# KiCad board TERES_PCB1-A64-MAIN_Rev.B.kicad_pcb (continued)
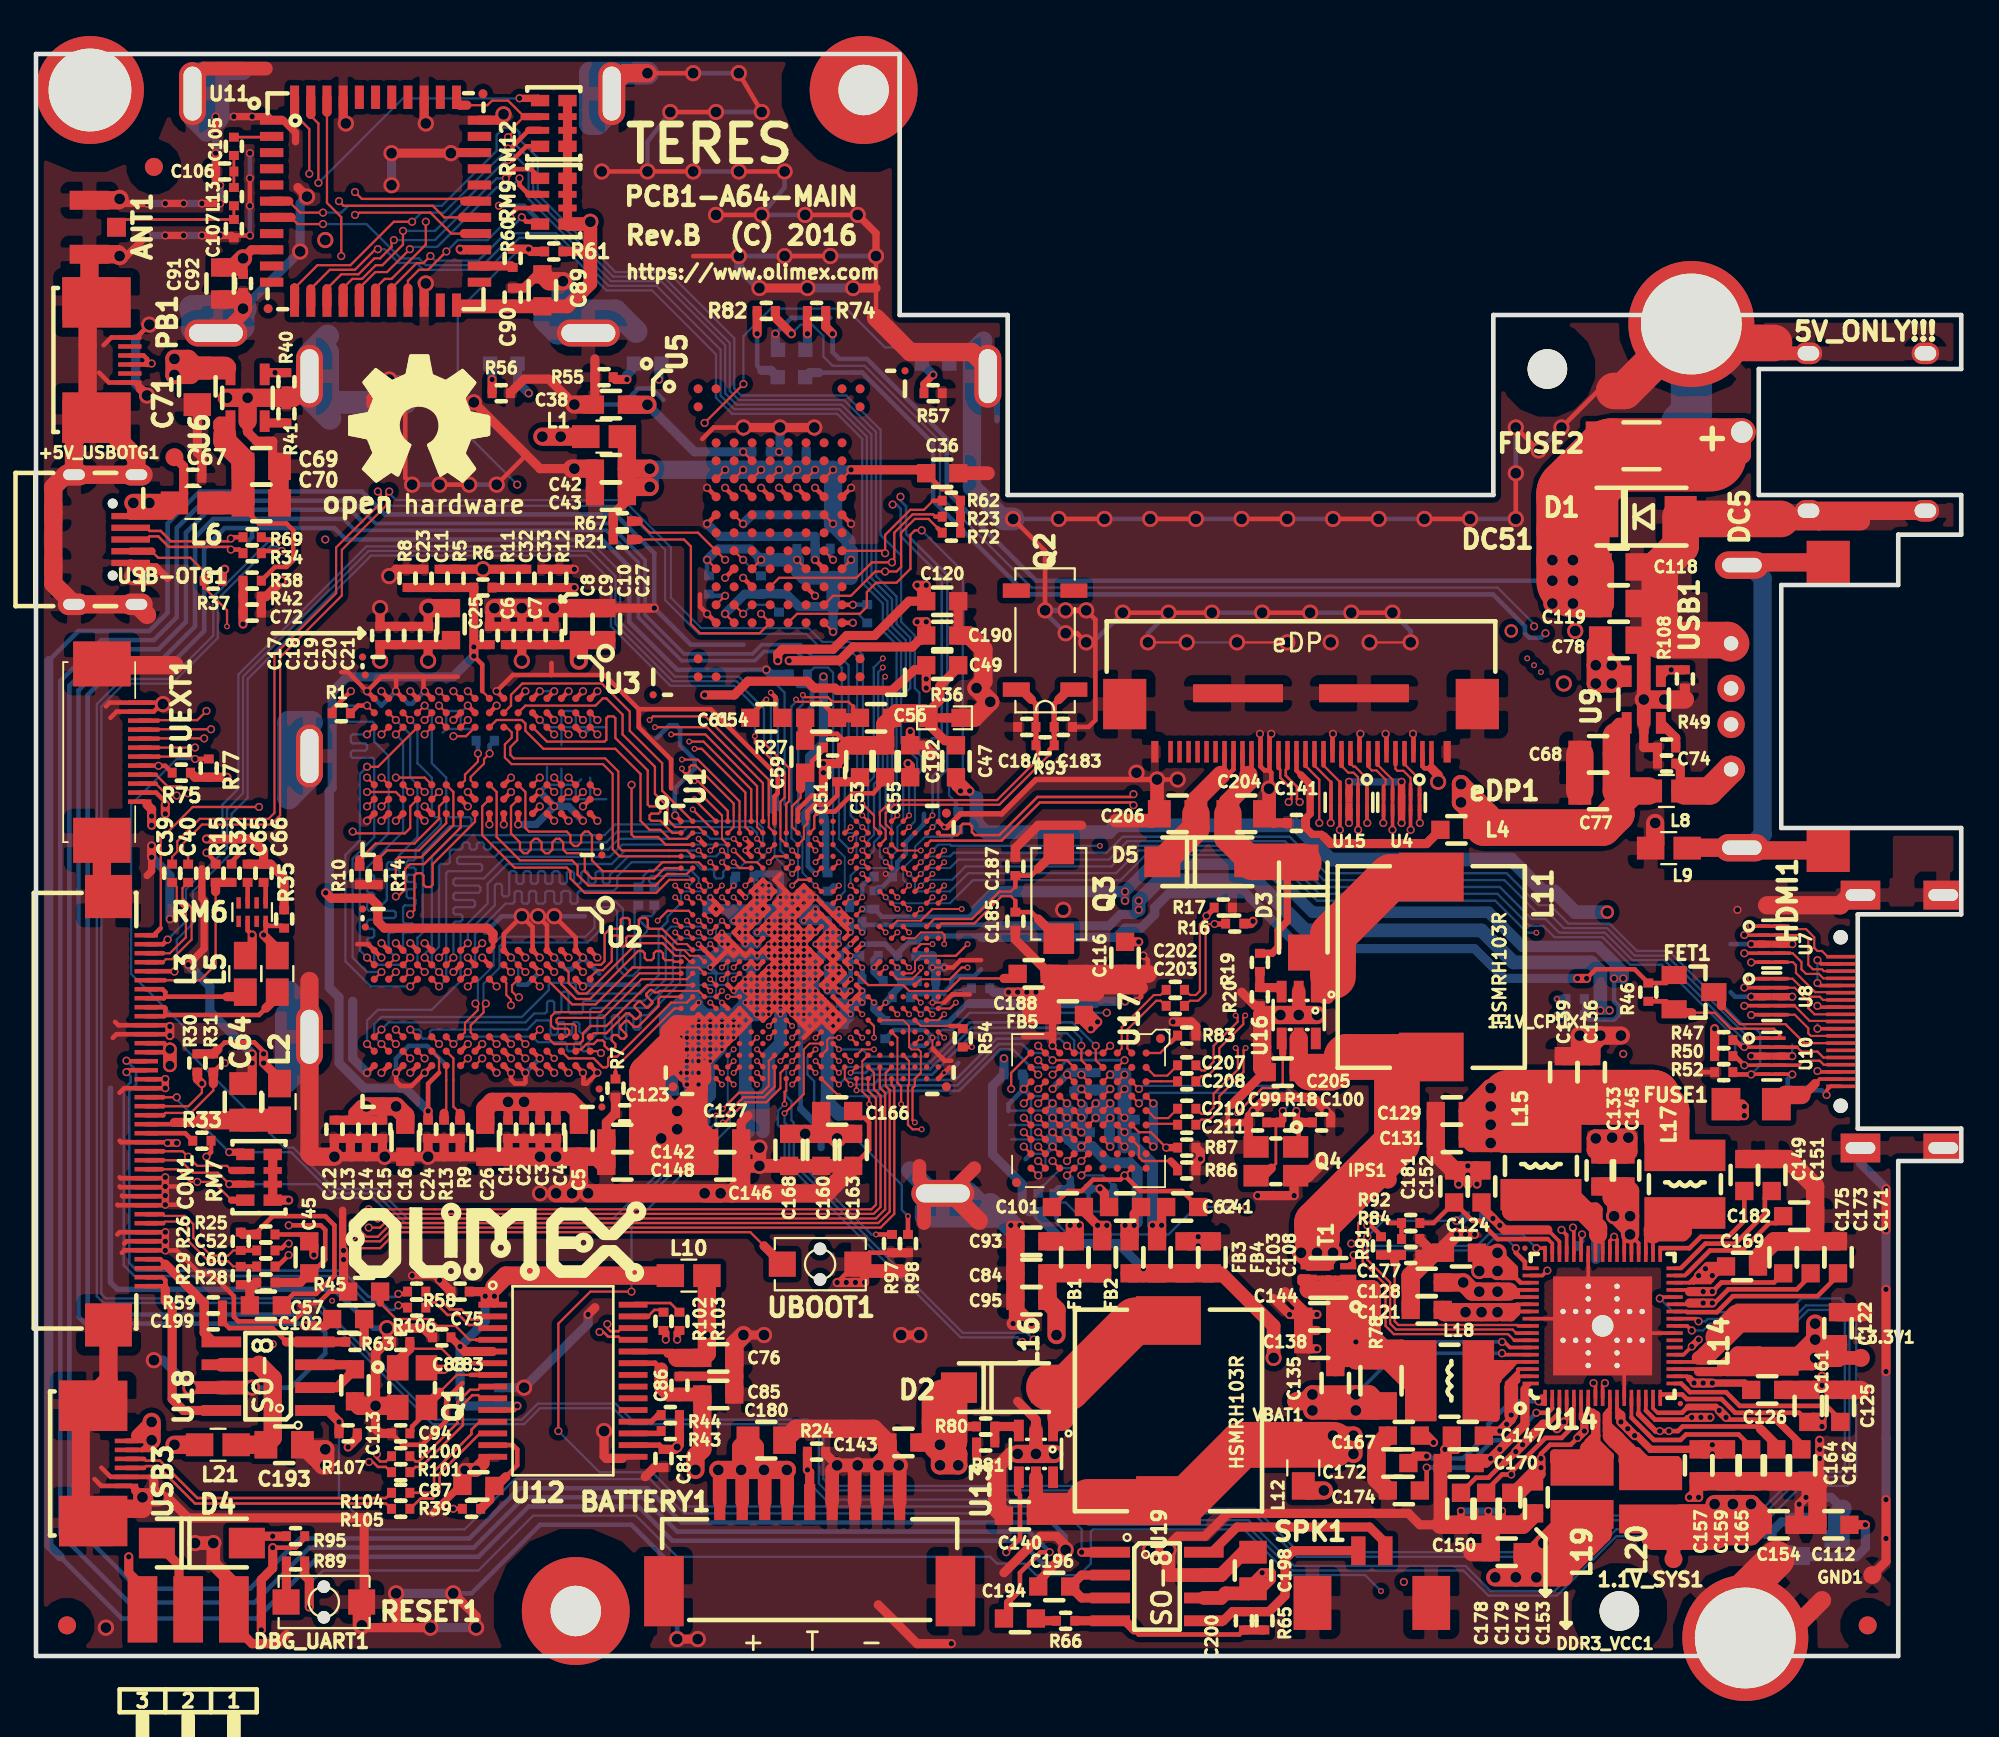
[diagram p0: board, top side]
## Routing (per net, layer and track width the routed paths; a pad name or vN(x,y) marks a point on that pad's centre or on a via; arc(x,y) is an arc through that point) (continued)
  In4.Cu w0.127: 60.1,33.5 61.58,33.5 62.9,32.18 62.62,31.9 61.7,31.9 ; 60.1,33.5 55.3,33.5 ; 60.1,33.5 60.1,28.7 ; 60.1,28.7 61.7,28.7 61.7,29.5 ; 60.1,28.7 59.3,28.7 ; 53.2,29.5 53.2,28.7 55.3,28.7 ; 53.2,29.5 53.2,30.3 ; 53.2,29.5 61.7,29.5 ; 61.7,29.5 61.7,30.3 ; 53.2,30.3 53.2,31.1 ; 53.2,30.3 61.7,30.3 ; 53.2,31.1 53.2,31.9 ; 53.2,31.1 60.9,31.1 ; 61.7,30.3 61.7,31.1 ; 61.7,31.9 61.7,32.7 53.2,32.7 ; 61.7,31.9 61.7,31.1 ; 61.7,31.9 60.9,31.9 ; 53.2,31.9 53.2,32.7 ; 53.2,31.9 60.9,31.9 ; 61.7,31.1 60.9,31.1 ; 53.2,32.7 53.2,33.4 53.6,33.8 54.3,33.8 54.6,33.5 55.3,33.5 ; 55.3,28.7 56.1,28.7 ; 55.3,28.7 55.3,33.5 ; 56.1,28.7 56.9,28.7 ; 56.1,28.7 56.1,34.5 ; 56.9,28.7 57.7,28.7 ; 56.9,28.7 56.9,34.5 ; 57.7,28.7 58.5,28.7 ; 57.7,28.7 57.7,34.5 ; 58.5,28.7 59.3,28.7 ; 58.5,28.7 58.5,34.2 ; 59.3,28.7 59.3,34.3 ; 60.9,31.9 60.9,31.1
  In4.Cu w0.254: 47.32,35 47.55,35.23 50.75,35.23 52.91,37.39 57.1,37.39 57.99,38.28 73.35,38.28 75.9,35.74 83.26,35.74 85.55,33.45 v2(88.21,33.45)
  In4.Cu w0.406: v4(44.62,36.95) 44.95,36.95 v4(44.62,36.95) ; v4(44.62,36.95) v4(45.28,36.95)
  In4.Cu w0.508: 62.94,32.18 62.9,32.18 72.85,32.18
  In4.Cu w0.711: 43.97,35 v4(43.97,36.95) v4(43.97,40.2) 43.97,40.85 ; 43.97,35 42.68,35 42.68,30.78 ; 43.97,35 43.97,30.78 ; 43.97,35 44.62,35 ; 43.97,40.85 44.62,40.85 v4(44.62,40.2) v4(44.62,36.95) 44.62,35 ; 43.97,40.85 44.3,40.85 ; 43.97,40.85 43.97,47.02 ; 43.97,40.85 v4(42.68,40.85) 42.68,47.02 ; 44.62,35 44.62,35.33 44.62,35 ; 44.62,35 47.32,35 47.22,35
  In4.Cu w0.762: 44.3,40.85 43.97,40.85
  In4.Cu w1.016: 95.58,9.58 94.43,9.58 v1(93.29,8.44) v1(94.31,8.44) 94.31,8.44 v1(95.32,8.44)
  In4.Cu w3.048: 72.85,32.18 74.5,33.83 82.12,33.83 84.28,31.67 84.28,27.86 85.55,26.59 90.37,26.59 95.07,21.89 95.07,16.31 97.23,14.15 97.23,11.23 95.58,9.58
  Bottom w0.254: v4(43.97,39.55) v4(44.62,39.55) v4(44.62,40.2) v4(43.97,40.2) ; 43.97,40.85 v4(43.32,41.5)
  Bottom w0.406: v4(44.62,38.25) v4(43.97,38.25) 44.01,38.22 C158.2 44.01,36.98 v4(43.97,36.95) v4(44.62,36.95) v4(45.28,36.95) ; v4(43.97,39.55) v4(43.97,40.2) ; v4(43.97,39.55) v4(43.32,39.55) ; v4(43.97,39.55) 44.3,39.55 44.3,40.2 43.97,40.52
  Bottom w0.508: 43.32,40.85 43.32,41.17 ; 43.32,40.85 v4(42.68,40.85) 42.68,41.32 ; 43.32,40.85 43.97,40.85 v4(43.97,40.2) ; 43.32,41.17 v4(43.32,41.5) C155.2 ; 43.32,41.17 43.18,41.32 42.68,41.32 ; 42.68,41.32 C155.2 ; 42.68,41.32 C155.2
1.2V_HSIC: length 207.6
  Top w0.127: U1.K16 v4(45.93,40.2)
  Top w0.203: U14.3 84.67,13.53
  Top w0.254: 83.9,12.88 84.02,12.88 84.67,13.53 ; 81.61,10.72 81.53,10.72 80.72,9.91 80.04,9.91 C178.2 ; EUEXT1.2 6.67,47.97 7.19,47.45 v2(7.19,47.3)
  Top w0.406: v2(82.25,11.35) 81.61,10.72
  Top w0.508: 83.9,12.88 83.77,12.88 v2(82.63,11.73) v2(82.25,11.35) ; v2(7.19,46.79) v2(7.19,47.3)
  In2.Cu w0.508: 7.19,47.04 v2(7.19,46.79) ; 7.19,47.04 v2(7.19,47.3) ; 7.19,47.04 7.44,47.04
  In2.Cu w0.762: 7.44,47.04 10.49,47.04 12.27,48.82 12.27,59.49 13.28,60.5 14.17,60.5 15.19,61.52 15.19,62.28 16.84,63.93 16.84,76.63 16.08,77.39 v1(16.08,78.66)
  In3.Cu w0.508: 83.26,11.86 83.26,11.61 83.51,11.86 83.01,11.35 v2(82.25,11.35) v2(82.63,11.73) 82.75,11.86 83.13,11.86
  In3.Cu w0.762: v2(86.94,35.86) v2(87.45,35.86) 88.34,35.86 89.23,34.98 ; v1(16.08,78.66) 16.71,78.66 16.97,78.92 19,78.92 21.41,81.33 32.97,81.33 39.32,74.98 44.91,74.98 52.78,67.11 52.78,62.41 53.67,61.52 53.67,58.73 59.89,52.5 59.89,46.41 61.29,45.01 v2(61.29,41.96) v2(61.29,41.45)
  In3.Cu w1.016: 83.13,11.86 84.02,11.86 84.66,11.23 86.31,11.23 87.2,12.12 87.2,13.45 87.89,14.15 89.48,14.15 91.13,15.8 91.13,18.59 91.52,18.97 91.52,28.12 89.23,30.4 89.23,34.98
  Bottom w0.254: C197.1 46.09,40.62 52.85,40.62 52.91,40.56
  Bottom w0.406: v4(45.93,40.2) 45.93,40.78 C197.1
  Bottom w0.508: 52.91,40.56 59.64,40.56 60.27,41.2 61.04,41.2 v2(61.29,41.45) ; v2(87.45,35.86) v2(86.94,35.86) 86.94,36.12
  Bottom w0.762: v2(61.29,41.45) v2(61.29,41.96) 62.43,43.1 67.77,43.1 70.56,40.31 80.34,40.31 82.12,38.53 86.44,38.53 86.94,38.02 86.94,36.12
3.0V_RTC: length 105.8
  Top w0.107: U1.H16 v4(45.93,42.15)
  Top w0.203: 84.15,23.55 84.67,23.03 U14.49
  Top w0.254: 84.15,23.55 84.02,23.67 ; C152.1 80.34,25.32
  Top w0.508: 84.02,23.67 81.61,23.67 v2(81.36,23.93) v2(80.97,24.31) 80.34,24.94 C152.1 ; 45.41,56.06 48.71,56.06 49.09,56.44 49.22,56.44 49.48,56.69 v2(49.48,57.45) v2(48.97,57.45) ; 45.41,56.06 45.44,56.06 ; 45.41,56.06 44.65,55.3 v2(41.86,55.3)
  In2.Cu w0.508: v2(48.97,57.45) v2(49.48,57.45) 52.78,60.76 78.18,60.76 v3(81.99,56.95)
  In3.Cu w0.254: v2(41.86,55.3) 41.86,54.03 41.73,53.9 41.73,52.88 43.76,50.85 44.27,50.85 44.78,50.34 44.78,49.7 46.8,47.68 46.8,43.02 v4(45.93,42.15)
  In3.Cu w0.508: v3(81.99,56.95) 81.99,53.39 84.4,50.98 84.4,40.31 83.26,39.17 83.26,33.83 82.25,32.82 82.25,27.86 81.1,26.72 81.1,24.44 v2(80.97,24.31) v2(81.36,23.93)
  Bottom w0.254: v4(45.93,42.15) 45.93,42.8 46.43,43.3 C189.2
  Bottom w0.508: v2(80.97,24.31) 80.85,24.44 R85.2
+1.5V: length 598
  Top w0.127: v2(31.4,33.5) 31.3,33.6 U2.A8 ; v2(30.4,52) U3.B2
  Top w0.203: v2(86.56,15.16) 86.67,15.06 U14.8
  Top w0.254: v2(28.8,32.4) U2.D9 ; v2(28.8,38) U2.D2 ; v2(19.2,32.4) U2.R9 ; v2(19.2,39.6) U2.R1 ; v2(28.8,46.4) U3.D9 ; U1.N8 v4(40.07,38.25) U1.N7 v4(39.43,38.25) ; U1.L7 v4(39.43,39.55) U1.L6 ; U1.L7 v4(40.07,39.55) U1.L8 ; U1.L7 v4(39.43,40.2) ; v4(39.43,40.85) U1.K7 ; v4(39.43,40.85) 39.1,41.17 ; v4(39.43,40.85) U1.K6 ; v4(39.43,40.85) 39.75,41.17 ; U1.K7 v4(39.43,40.2) ; U1.K7 v4(40.07,40.85) ; v2(20.8,53.6) U3.N1 ; v2(17.5,53.6) 16.46,52.56 R1.2 ; U1.L6 38.78,40.2 U1.K6 ; U1.L6 v4(39.43,40.2) ; 39.1,41.17 39.43,41.5 ; 39.1,41.17 v4(38.78,40.85) U1.K6 ; 39.75,41.17 v4(40.07,40.85) ; 39.75,41.17 40.07,41.5 ; 39.75,41.17 39.43,41.5 ; v4(40.07,40.85) U1.J8 ; 40.07,41.5 40.4,41.83 ; 40.07,41.5 39.75,41.83 ; 40.07,41.5 U1.J8 ; 40.07,42.8 40.4,43.12 v4(40.72,42.8) ; 40.07,42.8 U1.G7 v4(40.07,42.15) ; 40.07,42.8 U1.G8 ; 40.4,41.83 40.72,41.5 U1.J8 ; 40.4,41.83 v4(40.72,42.15) ; 40.4,41.83 v4(40.07,42.15) ; 39.75,41.83 39.43,41.5 ; 39.75,41.83 v4(40.07,42.15) ; U3.H2 v2(25.6,52.8) ; v4(39.43,40.2) U1.K6 ; v4(40.72,42.8) U1.G9 v4(40.72,42.15) ; v4(40.72,42.8) U1.G8 ; U1.G8 v4(40.07,42.15) ; U1.G8 v4(40.72,42.15) ; U2.K2 v2(23.2,38) ; U2.A1 v2(31.2,38.8) ; U2.F1 v2(27.2,38.8) ; U3.K2 v2(23.2,52) ; U3.R1 v2(19.2,53.6) ; U2.N1 v2(20.8,39.6) ; U2.G7 v2(26.4,34) ; U2.C1 v2(29.6,38.8) ; U3.A1 v2(31.2,53.6) ; U2.H2 v2(24.8,38.8) ; U3.R9 v2(19.2,46.4) ; U3.C9 v2(29.6,46.4) ; U3.F1 v2(27.2,53.6) ; U3.G7 v2(26.4,48.8) ; U3.D2 v2(28.8,52) ; U2.C9 v2(29.6,32.4) ; U2.N9 v2(20.8,32.4) ; U2.B2 v2(30.4,38) ; U3.E9 v2(28,47.2) ; U2.K8 v2(24,34) ; U3.C1 v2(29.6,53.6) ; U3.N9 v2(21.6,46.4) ; U2.H9 v2(25.6,32.4) ; U3.A8 v2(30.4,47.2) ; U3.H9 v2(25.2,46.2) ; U2.E9 v2(28,32.4) ; U3.K8 v2(24,47.2)
  Top w0.508: v1(27.13,30.78) C2.1 ; 17.73,30.15 17.73,29.77 17.73,29.9 C13.1 ; C13.1 C12.1 ; C13.1 C14.1 ; v1(27,55.3) C7.1 ; C7.1 C8.1 C9.1 29.92,56.19 C10.1 ; C7.1 C6.1 ; C21.1 22.81,56.19 C20.1 ; v1(21.79,55.3) C20.1 ; C20.1 C19.1 C18.1 C17.1 v1(19.13,55.3) ; 83.77,4.88 84.4,4.88 DDR3_VCC1.1 ; C1.1 v1(26.24,30.78) ; 19.25,30.53 C15.1 C14.1 ; 28.02,30.78 C3.1 ; 28.91,30.78 C4.1 ; C14.1 v1(18.36,30.53) ; C11.1 R5.2 v1(24.84,60.38) R11.2 C32.2
  Top w0.762: 17.73,30.15 18.11,30.53 v1(18.36,30.53) ; 86.69,7.04 87.07,7.04 ; 86.69,7.04 85.1,5.45 85.1,4.81 ; 86.69,7.04 85.93,7.04
  Top w1.016: v1(83.77,6.27) 85.36,7.87 L19.2 85.93,7.04 85.1,6.21 ; v1(83.77,6.27) 83.26,5.77 ; v1(83.77,6.27) 83.77,4.75 v1(83.39,4.37) ; v1(82.25,4.37) v1(83.39,4.37) ; v1(82.25,4.37) v1(81.1,4.37) ; v1(82.25,4.37) 82.63,4.75 C150.2 83.26,5.77 ; v1(83.39,4.37) 84.66,4.37 85.1,4.81 ; v1(83.39,4.37) 83.39,4.88 ; 83.26,5.77 83.39,5.64 83.39,4.88 ; 85.1,6.21 83.77,4.88 83.39,4.88 ; 85.1,6.21 85.1,4.81 ; 85.1,4.81 87.07,6.78 87.07,7.04 ; C5.1 30.18,30.28 29.67,30.78 v1(27.13,30.78) v1(26.24,30.78) 25.35,30.78 24.97,30.4 C26.1 ; v1(30.18,55.3) C10.1 C27.1 ; C16.1 20.52,30.02 v1(20.02,30.53) v1(18.36,30.53)
  In3.Cu w0.254: v2(86.56,15.16) 86.56,14.28 85.8,13.51 84.66,13.51 84.02,12.88 82.75,12.88 81.86,11.99 80.97,11.99 76.4,7.42 76.4,4.5 v2(76.02,4.11)
  In4.Cu w0.107: 37.8,37.27 36.82,37.27 36.82,37.92 39.1,37.92 v4(39.43,38.25) ; 37.8,37.27 38.45,37.27 38.45,38.9 ; 37.8,37.27 37.8,43.45 ; 38.45,38.9 38.45,38.58 38.45,38.9 ; 36.5,39.88 U1.L6 v4(39.43,39.55) ; 35.2,40.52 38.45,40.52 v4(38.78,40.85) ; 34.88,42.48 U1.G7 v4(40.07,42.15) ; 39.75,45.08 39.1,45.08 ; 39.75,45.08 40.4,45.08 ; 39.75,45.08 39.75,45.73 ; 39.75,45.08 39.75,44.42 ; 39.1,45.08 38.45,45.08 ; 39.1,45.08 39.1,44.42 ; 39.1,45.08 39.1,45.73 ; 39.75,44.42 39.1,44.42 ; 39.75,44.42 40.4,44.42 ; 39.1,44.42 36.5,44.42 ; 40.4,44.42 41.38,44.42 ; 40.4,44.42 40.4,45.08 ; 40.4,45.08 41.38,45.08 ; 38.45,45.08 37.8,45.08 ; 38.45,45.08 38.45,43.45 ; 37.8,45.08 37.15,45.08 ; 37.8,45.08 37.8,43.45 ; 38.45,43.45 38.45,43.77 38.45,43.45 ; 38.45,43.45 38.45,41.5 ; 37.15,45.08 36.5,45.08 ; 37.15,45.08 37.15,43.45 ; 37.8,43.45 37.8,43.77 37.8,43.45 ; 37.8,43.45 37.8,43.12 37.8,43.45 ; 37.15,43.45 37.15,43.77 37.15,43.45 ; 37.15,43.45 37.15,41.5 ; 39.1,41.5 39.1,41.83 39.1,41.5 ; 39.1,41.5 39.1,43.45 ; 38.45,41.5 38.45,41.83 38.45,41.5 ; 37.15,41.5 37.15,41.83 37.15,41.5 ; 37.15,41.5 37.15,38.9 ; 36.5,43.45 36.5,43.12 36.5,43.45 ; 36.5,43.45 36.5,41.5 ; 35.85,41.5 35.85,41.83 35.85,41.5 ; 35.85,41.5 35.85,43.45 ; 35.85,41.5 35.85,38.9 ; 37.15,38.9 37.15,39.23 37.15,38.9 ; 36.5,41.5 36.5,41.17 36.5,41.5 ; 36.5,41.5 36.5,38.9 ; 35.85,38.9 35.85,39.23 35.85,38.9
  In4.Cu w0.127: 26.8,34.5 26.8,31.11 v1(27.13,30.78) 27.6,31.26 27.6,34.3 ; 26,34.5 26,31.02 v1(26.24,30.78) 25.21,31.81 ; 25.2,34.5 25.2,31.82 25.21,31.81 ; 25.21,31.81 24.4,32.62 24.4,32.8 ; 24.4,32.8 24.4,33.6 ; 24.4,32.8 U2.D9 ; 24.4,33.6 24.4,34.5 ; 24.4,33.6 28.4,33.6 ; 24.4,33.6 22.8,33.6 22.8,36.8 ; 29.7,33.6 28.4,33.6 ; U2.D9 30.8,32.8 ; U2.D9 28.4,33.6 ; 30.8,32.8 31.6,32.8 ; 30.8,32.8 30.8,32 ; 22.8,36.8 22.8,37.6 ; 22.8,36.8 22,36.8 ; U2.N9 21.2,33.6 ; U2.N9 21.9,32.8 ; U2.N9 v2(20.8,32.4) ; 18.8,34.4 18.8,32.8 v2(19.2,32.4) U2.R9 19.6,35.1 ; 18.8,34.4 18.8,35.3 ; 18.8,34.4 20.4,34.4 20.4,35.2 ; 22.8,37.6 22.8,38.4 ; 22.8,37.6 22,37.6 ; 18.8,38.4 18.8,36.8 19.6,36.8 ; 18.8,38.4 18.8,39.2 ; 18.8,38.4 22.8,38.4 ; U2.K2 23.6,39.2 24.4,39.2 24.4,40.1 ; U2.K2 v2(23.2,38) ; U2.K2 24.4,38.4 ; 24.3,37.6 23.5,37.6 23.2,37.9 ; 22,36.8 21.2,36.8 ; 22,36.8 22.1,36.9 ; 21.2,36.8 20.4,36.8 ; 21.2,36.8 U2.N1 ; 18.8,39.2 18.8,40 ; 18.8,39.2 U2.R1 ; U2.R1 20.4,39.2 ; U2.R1 19.6,36.8 ; 19.6,36.8 20.4,36.8 ; 20.4,39.2 U2.N1 ; 20.4,39.2 20.4,37.6 ; 20.4,36.8 20.4,37.6 ; U2.N1 22,39.2 ; 22.8,38.4 22.8,39.2 ; 27.6,37.6 28.5,37.6 28.8,37.9 ; 27.6,37.6 26.8,37.6 26.8,39.1 ; 27.6,37.6 27.6,39.1 ; U2.D2 28.4,39.1 ; U2.D2 28.45,38.35 ; U2.D2 26.1,38.4 ; U2.D2 28.45,38.35 ; 28.45,38.35 v2(28.8,38) ; 20.4,37.6 22,37.6 ; 22,54 21.2,54 v2(20.8,53.6) ; 22,54 22.8,54 ; 22,54 22,51.6 ; 28.4,45.8 30.8,45.8 30.8,54 30,54 ; 28.4,45.8 26.4,45.8 ; 28.4,45.8 28.4,47.6 ; 18.8,53.2 18.8,48.4 ; 18.8,53.2 18,53.2 ; 18.8,53.2 v2(19.2,53.6) U3.R1 U3.R9 ; 18.8,48.4 18.8,45.8 19.6,45.8 ; 18.8,48.4 18,48.4 ; U3.R9 19.6,45.8 ; U3.R9 18.1,46.8 ; 19.6,45.8 20.4,45.8 ; 20.4,45.8 20.4,53.2 v2(20.8,53.6) ; 20.4,45.8 21.2,45.8 ; U3.N1 21.2,52.4 ; U3.N1 24.6,53.2 ; U3.N1 v2(20.8,53.6) ; 21.2,52.4 21.2,45.8 ; 21.2,52.4 24.3,52.4 ; 21.2,45.8 22,45.8 ; 22.8,54 23.6,54 ; 22.8,54 22.8,45.8 ; 22,45.8 22.8,45.8 ; 22,45.8 22,47.6 ; 23.6,54 28.4,54 ; 23.6,54 23.6,53.2 ; 22.8,45.8 26.4,45.8 ; 28.4,54 29.2,54 ; 28.4,54 28.4,51.6 ; 26.4,45.8 26.4,46.5 ; 29.2,54 30,54 ; 29.2,54 29.2,47.6 ; 30,54 30,48.4 ; v2(28.8,46.4) U3.C9 29.2,47.6 ; v2(29.6,46.4) 30,46.8 30,48.4 ; 30,48.4 27.8,48.4 ; 29.2,47.6 28.4,47.6 ; 28.4,47.6 28.4,51.6 ; 28.4,51.6 31.5,51.6 ; 22,47.6 22,51.6 ; 22,47.6 18,47.6 ; 22,51.6 19.7,51.6 ; 22,37.6 22,39.2 ; 22,39.2 22.1,39.2
  In4.Cu w0.254: v2(76.02,4.11) 65.82,4.11 62.64,7.29 61.54,7.29 58.5,10.34 54.05,10.34 52.91,11.48 51.76,11.48 50.5,12.75 49.61,12.75 48.34,11.48 44.02,11.48 43.64,11.1 36.14,11.1 35.89,10.85 34.49,10.85 32.08,13.26 30.81,13.26 20.75,23.32 20.75,28.51
  In4.Cu w0.711: 38.78,41.5 35.2,41.5 ; 38.78,41.5 v4(38.78,40.85) v4(39.43,40.85) ; 38.78,41.5 40.07,41.5 ; 40.07,41.5 v4(40.07,40.85) v4(39.43,40.85) ; 40.07,41.5 v4(40.07,42.15) 40.07,42.8 ; 40.07,42.8 40.07,43.45 34.88,43.45 ; 40.07,42.8 v4(40.72,42.8) 41.38,43.45 41.38,47.02 ; 34.88,38.9 39.43,38.9 v4(39.43,40.2) v4(39.43,40.85)
  In4.Cu w1.016: v1(81.1,4.37) v1(82.25,4.37) v1(83.39,4.37) 83.39,5.89 v1(83.77,6.27) ; v1(26.24,30.78) 25.09,29.64 25.09,26.72 ; 24.33,58.85 24.84,59.36 v1(24.84,60.38) ; 27.13,22.91 29.41,20.62 29.41,18.34 33.6,14.15 52.53,14.15
  In4.Cu w4.064: 52.53,14.15 52.78,13.89 58.62,13.89 62.31,10.21 66.52,10.21 70.21,6.53 77.29,6.53 78.31,5.51 80.97,5.51 ; 27.13,22.91 25.98,22.91 25.09,23.8 25.09,26.72
  Bottom w0.406: v4(39.43,38.25) 39.66,38.25 C30.1 39.84,38.25 v4(40.07,38.25) ; U1.G8 40.4,42.15 v4(40.07,42.15) v4(40.72,42.15) v4(40.72,42.8)
  Bottom w0.508: 40.07,41.32 v4(40.07,40.85) v4(39.43,40.85) ; 40.07,41.32 38.92,41.32 38.7,41.1 ; 40.07,41.32 C28.1 ; 40.07,41.32 C28.1 ; 38.7,41.1 38.78,41.03 v4(38.78,40.85) v4(39.43,40.85) ; 38.7,41.1 C29.1 C28.1 ; C28.1 40.07,41.68 v4(40.07,42.15) U1.G8 v4(40.72,42.8) ; v4(39.43,40.85) v4(39.43,40.2) 39.43,39.92 C31.1 39.43,39.88 v4(39.43,39.55) v4(40.07,39.55)
+1V8: length 122.7
  Top w0.127: U1.E13 v4(43.32,43.45)
  Top w0.203: U14.68 82.75,14.82
  Top w0.508: 82.75,14.82 82.75,12.88 v2(81.36,11.48) v2(80.85,10.97) ; v2(80.85,10.97) 80.59,10.72 C170.2 80.21,10.97 v2(80.85,10.97) ; 51.13,48.31 v2(51.38,48.06) v2(51.89,48.06) 51.13,48.82 51.13,48.31
  In3.Cu w0.508: v2(43.76,54.41) 43.76,53.14 45.92,50.98 45.92,50.09 47.96,48.06 v2(51.38,48.06) v2(51.89,48.06) ; 81.04,11.16 v2(81.36,11.48) 81.48,11.35 81.48,10.72 ; 81.04,11.16 81.48,10.72 ; 81.04,11.16 v2(80.85,10.97) ; 81.48,10.72 82.37,10.72 83.26,9.83 84.02,9.83 84.4,10.21 86.69,10.21 87.96,11.48 89.1,11.48 89.61,11.99 89.61,12.88 91.13,14.4 93.55,14.4 93.93,14.78 93.93,18.85 95.45,20.37 95.45,22.66 94.56,23.55 94.56,29.39 92.02,31.93 92.02,36.63 90.25,38.41 88.21,38.41 87.32,39.29 v3(87.32,41.33)
  Bottom w0.254: v4(43.32,43.45) 42.9,43.88 42.9,46.29 C50.2
  Bottom w0.406: v2(51.89,48.06) v2(51.38,48.06)
  Bottom w0.508: v2(43.76,54.41) 43.76,50.72 43,49.96 43,47.04 42.79,46.83 C50.2 ; 52.27,47.68 v2(51.89,48.06)
  Bottom w0.762: 52.27,47.68 52.27,46.28 52.78,45.77 59.64,45.77 60.02,46.15 70.05,46.15 71.96,44.25 81.99,44.25 83.77,42.47 84.4,42.47 85.55,41.33 v3(87.32,41.33)
+3.0VA: length 194.2
  Top w0.127: U1.N16 v4(45.93,38.25) ; U1.G14 v4(44.62,42.8)
  Top w0.203: 91.9,20.24 91.8,20.34 U14.31
  Top w0.254: C175.1 96.6,20.75 93.68,20.75 v2(93.17,20.24) ; v2(11.38,44.76) 11.38,44.63 10.87,44.12 R32.2
  Top w0.508: 91.9,20.24 v2(92.66,20.24) v2(93.17,20.24) ; v2(37.16,53.39) 38.81,53.39 39.57,54.15 42.88,54.15 43.26,53.77 44.4,53.77 44.53,53.65 47.57,53.65 48.84,54.8 49.24,54.8 49.48,55.04 v2(49.48,54.28) v2(49.48,53.77)
  In2.Cu w0.508: v1(84.91,54.03) 82.63,54.03 77.42,59.23 53.42,59.23 49.48,55.3 v2(49.48,54.28) v2(49.48,53.77)
  In3.Cu w0.254: v4(44.62,42.8) 43.97,43.45 43.97,44.1 44.3,44.42 44.3,46.12 43.51,46.91 42.88,46.91 40.72,49.07 39.95,49.07 38.56,50.47 38.56,51.1 37.16,52.5 v2(37.16,53.39) 36.27,53.39 31.57,58.09 31.57,61.39 30.81,62.15 18.75,62.15 17.09,60.5 17.09,56.69 13.03,52.63 13.03,48.56 11.38,46.91 v2(11.38,44.76)
  In3.Cu w0.305: 54.18,37.9 53.82,37.54 49.22,37.54 49,37.77 46.41,37.77 v4(45.93,38.25)
  In3.Cu w0.406: 54.18,37.9 55.96,39.67 55.96,50.09 53.92,52.12 51,52.12 49.48,53.65 v2(49.48,53.77)
  In3.Cu w0.508: v1(84.91,54.03) 84.91,53.52 86.56,51.87 86.56,38.91 86.94,38.53 86.94,37.26 87.2,37.01 89.36,37.01 90.75,35.61 90.75,31.04 93.04,28.75 93.04,22.66 93.93,21.77 93.93,21.01 v2(93.17,20.24) v2(92.66,20.24) ; v2(49.48,53.77) v2(49.48,54.28)
  Bottom w0.254: C46.1 44.31,42.8 v4(44.62,42.8)
  Bottom w0.305: v4(45.93,38.25) 45.93,37.62 C191.2
+3.3VD: length 93.8
  Top w0.203: 90.37,14.53 90.27,14.43 U14.17
  Top w0.254: 90.37,14.53 91.49,14.53 91.74,14.28 93.68,14.28 94.44,13.51 97.99,13.51 98.5,13 ; U1.M16 v4(45.93,39.55) ; FET1.1 90.6,37.39 R46.1 88.85,38.15 86.69,38.15 v2(86.18,37.64)
  Top w0.508: v2(85.67,37.64) v2(86.18,37.64) ; 98.75,13.26 v2(99.26,13.26) v2(99.26,12.75) 98.75,12.75 98.5,13 98.75,13.26
  In2.Cu w0.508: v2(85.67,37.64) v2(86.18,37.64) 86.69,37.64 93.17,31.17 93.17,29.13 100.03,22.28 100.03,14.02 v2(99.26,13.26) v2(99.26,12.75)
  Bottom w0.305: v4(45.93,39.55) 47.19,39.55 47.84,38.9 C79.2 47.89,39.04 48.53,39.68 48.98,39.68 49.3,40 52.46,40 52.53,39.93
  Bottom w0.508: v2(86.18,37.64) v2(85.67,37.64) 81.61,37.64 79.96,39.29 70.31,39.29 67.26,42.34 62.94,42.34 62.18,41.58 62.18,41.2 61.42,40.44 60.53,40.44 60.02,39.93 52.53,39.93
+3V3: length 127.9
  Top w0.203: 92.41,15.8 92.26,15.94 U14.20
  Top w0.254: v4(45.28,35.65) U1.U15 ; U1.U15 v4(45.28,36.3) 45.6,36.62 ; U1.U15 U1.T14 ; 6.17,47.3 6,47.47 EUEXT1.1 ; v2(13.16,6.02) 14.43,6.02 14.94,6.53 R95.2 ; 45.6,36.62 v4(45.93,36.95) U1.R16 ; 45.6,36.62 v4(45.93,36.3) ; v2(12.65,33.45) 12.65,33.58 12.14,34.09 10.49,34.09 10.11,33.71 ; eDP1.1 77.56,49.32 77.18,49.32 77.06,49.44 eDP1.2 ; U1.L16 v4(45.28,39.55) ; U1.N18 v4(46.57,38.25) ; v2(53.92,5.77) 54.69,6.53 54.69,8.94 54.56,9.07
  Top w0.406: 54.56,9.07 54.56,9.86 U13.4
  Top w0.508: 93.93,16.05 93.68,15.8 92.41,15.8 ; v2(101.68,7.29) C112.2 ; v2(6.43,46.15) v2(6.43,46.66) 6.43,47.04 6.17,47.3 ; v2(67.64,40.82) 67.51,40.69 R16.1 ; v2(12.52,1.45) 12.52,4.24 13.16,4.88 v2(13.16,6.02) ; v1(77.93,48.56) 77.93,48.95 77.56,49.32 ; C116.2 v2(61.29,39.67) ; v2(10.62,48.82) 8.84,48.82 R75.1 ; R37.2 10.36,60.25 v2(10.49,60.38) ; v2(17.35,11.61) 17.86,12.12 R107.2 ; 10.11,33.71 R31.2 R30.2 ; v2(12.65,33.45) v2(12.65,32.94) 13.54,32.06 L2.1 ; v2(14.05,25.32) RM7.1.1 RM7.2.1 RM7.3.1 RM7.4.1 ; U11.9 11.98,78.12 v1(11.51,77.65) C92.2
  Top w0.762: 93.93,16.05 93.93,16.18 94.56,16.81 95.78,16.81 L14.2 ; +3.3V1.1 100.15,16.56
  Top w1.016: v1(98.88,17.58) v1(98.88,18.47) ; v1(98.88,17.58) 97.99,16.69 97.99,16.38 ; v1(98.88,17.58) 99.14,17.32 C122.2 100.15,16.56 v1(98.88,16.56) ; v1(98.88,17.58) v1(98.88,16.56) ; 93.93,16.05 95.89,16.05 L14.2 97.99,16.38 ; v1(98.88,16.56) 98.7,16.38 97.99,16.38 ; v1(28.14,67.74) v1(29.16,67.74) L1.1 ; v1(11.51,77.65) 11,77.14 C91.2
  In3.Cu w0.508: v2(101.68,7.29) 101.68,14.78 99.9,16.56 v1(98.88,16.56)
  In4.Cu w0.107: 45.6,40.52 45.6,39.23 U1.R16 v4(45.93,36.95) 47.88,36.95 48.85,35.97 50.15,35.97
  In4.Cu w0.254: v2(53.92,5.77) 53.42,5.77 ; v4(45.28,39.55) 45.6,39.23
  In4.Cu w1.016: v1(98.88,16.56) v1(98.88,17.58) ; v1(98.88,17.58) 98.12,17.58 ; v1(98.88,17.58) v1(98.88,18.47)
  In4.Cu w2.54: 98.12,17.58 98.12,23.17 89.99,31.29 89.99,38.41 89.1,39.29 86.82,39.29
  Bottom w0.254: v4(45.28,39.55) 44.66,38.93 C73.2
  Bottom w0.406: 45.28,35.97 v4(45.28,36.3) ; 45.28,35.97 45.28,35.88 45.7,36.3 ; 45.28,35.97 v4(45.28,35.65) 45.28,35.47 C34.2 ; v4(45.28,36.3) 45.7,36.3 ; v4(45.28,36.3) C115.2 ; 45.7,36.3 v4(45.93,36.3) v4(45.93,36.95) ; C186.2 46.57,38.67 v4(46.57,38.25) 46.57,38.02 R48.1
  Bottom w0.508: 97.93,5.51 101.17,5.51 101.68,6.02 v2(101.68,7.29) ; C115.2 44.91,36.1 C34.2 ; R110.2 97.55,5.89 HALLSW1.1
+5V: length 296.4
  Top w0.254: v1(6.43,11.99) 5.89,11.45 5.92,11.45 ; v1(6.43,11.99) 6.43,11.61 6.27,11.45 5.92,11.45 ; v1(6.43,11.99) 6.39,11.95 5.03,11.95 5.37,11.95 5.66,12.24 ; 5.92,11.45 5.03,11.45 ; R39.1 v2(23.19,8.18)
  Top w0.305: 34.75,15.93 34.41,16.27 U12.23
  Top w0.508: 10.49,71.55 10.81,71.23 U6.5 ; 50.5,13 50.75,12.75 R80.1 ; v1(87.58,54.03) 88,54.03 U9.5 87.8,55.04 v1(87.58,55.04) ; v1(6.43,13) 6.3,13 6.05,12.75 6.43,12.75 ; v2(93.29,34.85) R47.1 R50.1 ; 94.56,30.02 v2(94.94,30.02) v2(94.94,30.53) 94.82,30.66 FUSE1.1 94.56,30.02
  Top w0.762: 34.75,15.93 34.75,14.91 35.13,14.53 C85.2 ; 5.66,12.24 v1(6.43,13)
  Top w1.016: v1(50.24,11.73) 50.5,11.99 51.26,11.23 v1(51.26,10.59) v1(50.24,10.59) v1(50.24,11.73) ; v1(50.24,11.73) 50.11,11.61 ; v1(50.24,11.73) 50.11,11.86 C143.2 ; v1(86.69,55.04) v1(86.69,54.03) v1(87.58,54.03) v1(87.58,55.04) ; v1(86.69,55.04) 86.69,56.19 C78.1 86.94,55.68 v1(87.58,55.04) ; v1(86.69,55.04) v1(87.58,55.04) ; v1(6.43,13) v1(6.43,11.99) ; D2.1 50.5,14.11 ; C85.2 37.03,11.48 36.65,11.1 v1(36.65,10.34) ; 8.46,72.06 v1(7.7,72.06) v1(7.7,71.17) 8.58,71.17 C71.1 8.46,72.06 ; 50.5,13 50.62,13 50.5,13
  Top w1.27: 10.49,71.55 C71.1
  Top w2.54: 50.5,14.11 50.5,11.99
  In4.Cu w0.508: v2(93.29,34.85) 92.79,34.85 ; v2(94.94,30.02) v2(94.94,30.53)
  In4.Cu w1.016: 8.2,71.42 8.2,71.55 v1(7.7,72.06) ; 50.62,9.83 51.26,10.47 v1(51.26,10.59) v1(50.24,10.59) v1(50.24,11.73) ; v1(87.58,54.03) 87.32,53.77 87.32,53.65 ; v1(87.58,54.03) v1(87.58,55.04) v1(86.69,55.04) v1(86.69,54.03) v1(87.58,54.03) ; 95.58,29.65 95.58,29.39 v2(94.94,30.02) ; 36.65,8.31 v1(36.65,10.34) ; 5.28,12.24 5.54,11.99 v1(6.43,11.99) v1(6.43,13)
  In4.Cu w2.032: 2.62,12.5 6.05,12.5
  In4.Cu w2.54: 8.2,71.42 8.2,57.58 2.62,51.99 2.62,5.51 5.03,3.1 12.65,3.1 15.32,5.77 20.78,5.77 v2(23.19,8.18) 25.22,8.18 26.87,9.83 33.1,9.83 34.62,8.31 49.1,8.31 50.62,9.83 52.02,9.83 53.29,8.56 57.86,8.56 59.89,6.53 59.89,4.94 61.22,3.61 63.96,3.61 65.61,1.96 83.9,1.96 85.42,3.48 85.42,5 86.82,6.4 98.37,6.4 100.91,8.94 100.91,24.32 92.79,32.45 92.79,39.42 87.32,44.88 87.32,53.65 87.32,53.39
+5V_USBOTG: length 200
  Top w0.203: U14.54 82.51,20.74
  Top w0.254: 82.51,20.74 82.12,21.13
  Top w0.406: v1(5.41,64.06) 5.26,63.91 5.26,63.55 ; 5.26,63.55 7.19,63.55 L6.2 ; 5.26,63.55 USB-OTG1.1 7.47,63.33 7.7,63.55
  Top w0.508: v1(81.23,22.4) 82.12,21.51 82.12,21.39 ; 82.12,21.39 82.12,21.13 81.48,21.13 v1(81.23,21.39) 82.12,21.39 ; +5V_USBOTG1.1 8.2,66.09 C67.1 8.2,64.57 L6.2
  Top w0.762: C124.1 81.1,21.39 v1(81.23,21.39) v1(80.21,21.39) 80.21,22.28 C124.1 ; C124.1 v1(81.23,22.4)
  Top w1.016: v1(5.41,64.06) v1(6.3,64.06) L6.2 ; v1(81.23,21.39) v1(81.23,22.4)
  In3.Cu w0.254: 83.13,19.74 84.15,19.74 84.15,20.5 83.51,21.13 83.13,21.13
  In3.Cu w1.016: 82.5,20.62 81.74,21.39 v1(81.23,21.39) ; 82.5,20.62 82.5,20.88 82.5,20.62 ; 82.5,20.62 83.13,19.99 83.13,19.86 83.13,21.77 82.5,21.77 ; 82.5,20.62 82.5,21.77 ; 82.5,21.77 81.86,21.77 v1(81.23,22.4) ; 7.06,63.42 7.06,64.06 v1(6.3,64.06) v1(5.41,64.06) 6.05,63.42 7.06,63.42 ; 7.06,63.42 7.19,63.3 ; v1(81.23,21.39) v1(80.21,21.39) v1(81.23,22.4) ; v1(81.23,21.39) v1(81.23,22.4)
  In3.Cu w2.286: 83.13,19.86 83.13,16.31 81.99,15.16 80.85,15.16
  In3.Cu w2.54: 7.19,63.3 8.2,62.28 8.2,57.71 2.62,52.12 2.62,5.26 4.14,3.73 13.28,3.73 15.19,5.64 24.08,5.64 27,8.56 32.72,8.56 38.94,2.34 52.02,2.34 52.15,2.21 70.94,2.21 74.24,5.51 74.24,8.27 75.64,9.67 75.64,12.24 78.56,15.16 80.85,15.16
/eDP LCD/1.2V: length 15.9
  Top w0.127: v2(58.1,29.9) U17.F5 ; U17.F6 v2(58.1,29.1) ; U17.F4 v2(58.1,30.7)
  Top w0.508: 57.99,23.29 v2(57.99,23.93) v2(57.48,23.93) 57.48,23.29 FB1.2 57.99,23.29
  Top w1.016: FB1.2 C93.2
  In3.Cu w0.508: v2(57.48,23.93) v2(57.99,23.93) 57.99,25.7 58.75,26.47 58.75,28.63 58.28,29.1 v2(58.1,29.1) v2(58.1,29.9) v2(58.1,30.7)
  Bottom w0.508: v2(58.1,30.7) 58.19,30.61 C96.2 58.19,29.99 v2(58.1,29.9) v2(58.1,29.1) C97.2
/eDP LCD/2.5V: length 16.2
  Top w0.127: v2(57.3,29.9) U17.G5 ; v2(58.1,28.3) U17.E7 ; U17.G4 v2(57.3,30.7) ; U17.F7 v2(57.3,29.1)
  Top w0.508: v2(61.04,23.93) 61.04,23.29 FB3.2 60.53,23.29 v2(60.53,23.93) v2(61.04,23.93) ; v2(61.04,23.93) 61.04,24.56 C62.2
  Bottom w0.508: v2(57.3,30.7) 57.3,30.41 C80.2 57.3,30.19 ; v2(61.04,23.93) v2(60.53,23.93)
  Bottom w0.61: 57.3,30.19 v2(57.3,29.9) v2(57.3,29.1) 57.3,28.81 C63.2 57.81,28.3 v2(58.1,28.3) 58.7,28.3 59.6,27.4 60.77,27.4 61.2,26.97 61.2,24.09 v2(61.04,23.93)
/eDP LCD/A1.2V: length 18.3
  Top w0.127: v2(58.1,31.5) U17.E4 ; U17.D4 v2(59.7,31.5)
  Top w0.508: v2(59,23.93) 59,23.29 FB2.2 59.51,23.29 v2(59.51,23.93) v2(59,23.93) ; v2(59,23.93) 58.24,24.69 C101.2
  In3.Cu w0.406: v2(59.7,31.5) 61.2,30
  In3.Cu w0.508: 61.2,30 61.2,28.1 60.6,27.5 60.29,27.5 59.77,26.97 59.77,25.58 59.51,25.32 v2(59.51,23.93) v2(59,23.93) ; v2(58.1,31.5) v2(59.7,31.5)
  Bottom w0.508: v2(59.7,31.5) 59.01,31.5 C111.2 58.79,31.5 v2(58.1,31.5) 57.81,31.5 C104.2
/eDP LCD/A2.5V: length 18.8
  Top w0.127: v2(60.5,32.3) U17.C3 ; v2(60.5,29.9) U17.C5 ; v2(60.5,28.3) U17.C7 ; U17.C4 v2(60.5,31.5) ; U17.C6 v2(60.5,29.1) ; U17.D3 v2(59.7,32.3)
  Top w0.508: v2(62.56,23.93) 62.56,23.29 FB4.2 62.05,23.29 v2(62.05,23.93) v2(62.56,23.93) ; v2(62.56,23.93) 62.56,24.69 C41.2
  Bottom w0.406: 61.09,28.3 61.1,28.3
  Bottom w0.508: v2(59.7,32.3) v2(60.5,32.3) ; v2(60.5,29.9) 60.6,29.8 C58.2 ; C48.2 61.09,28.3 ; v2(62.05,23.93) v2(62.56,23.93)
  Bottom w0.61: v2(62.05,23.93) 62.05,27.35 61.1,28.3 v2(60.5,28.3)